# Altium PCB LimeSDR-XTRX_1v4.PcbDoc (part 2 of 8) (continued)
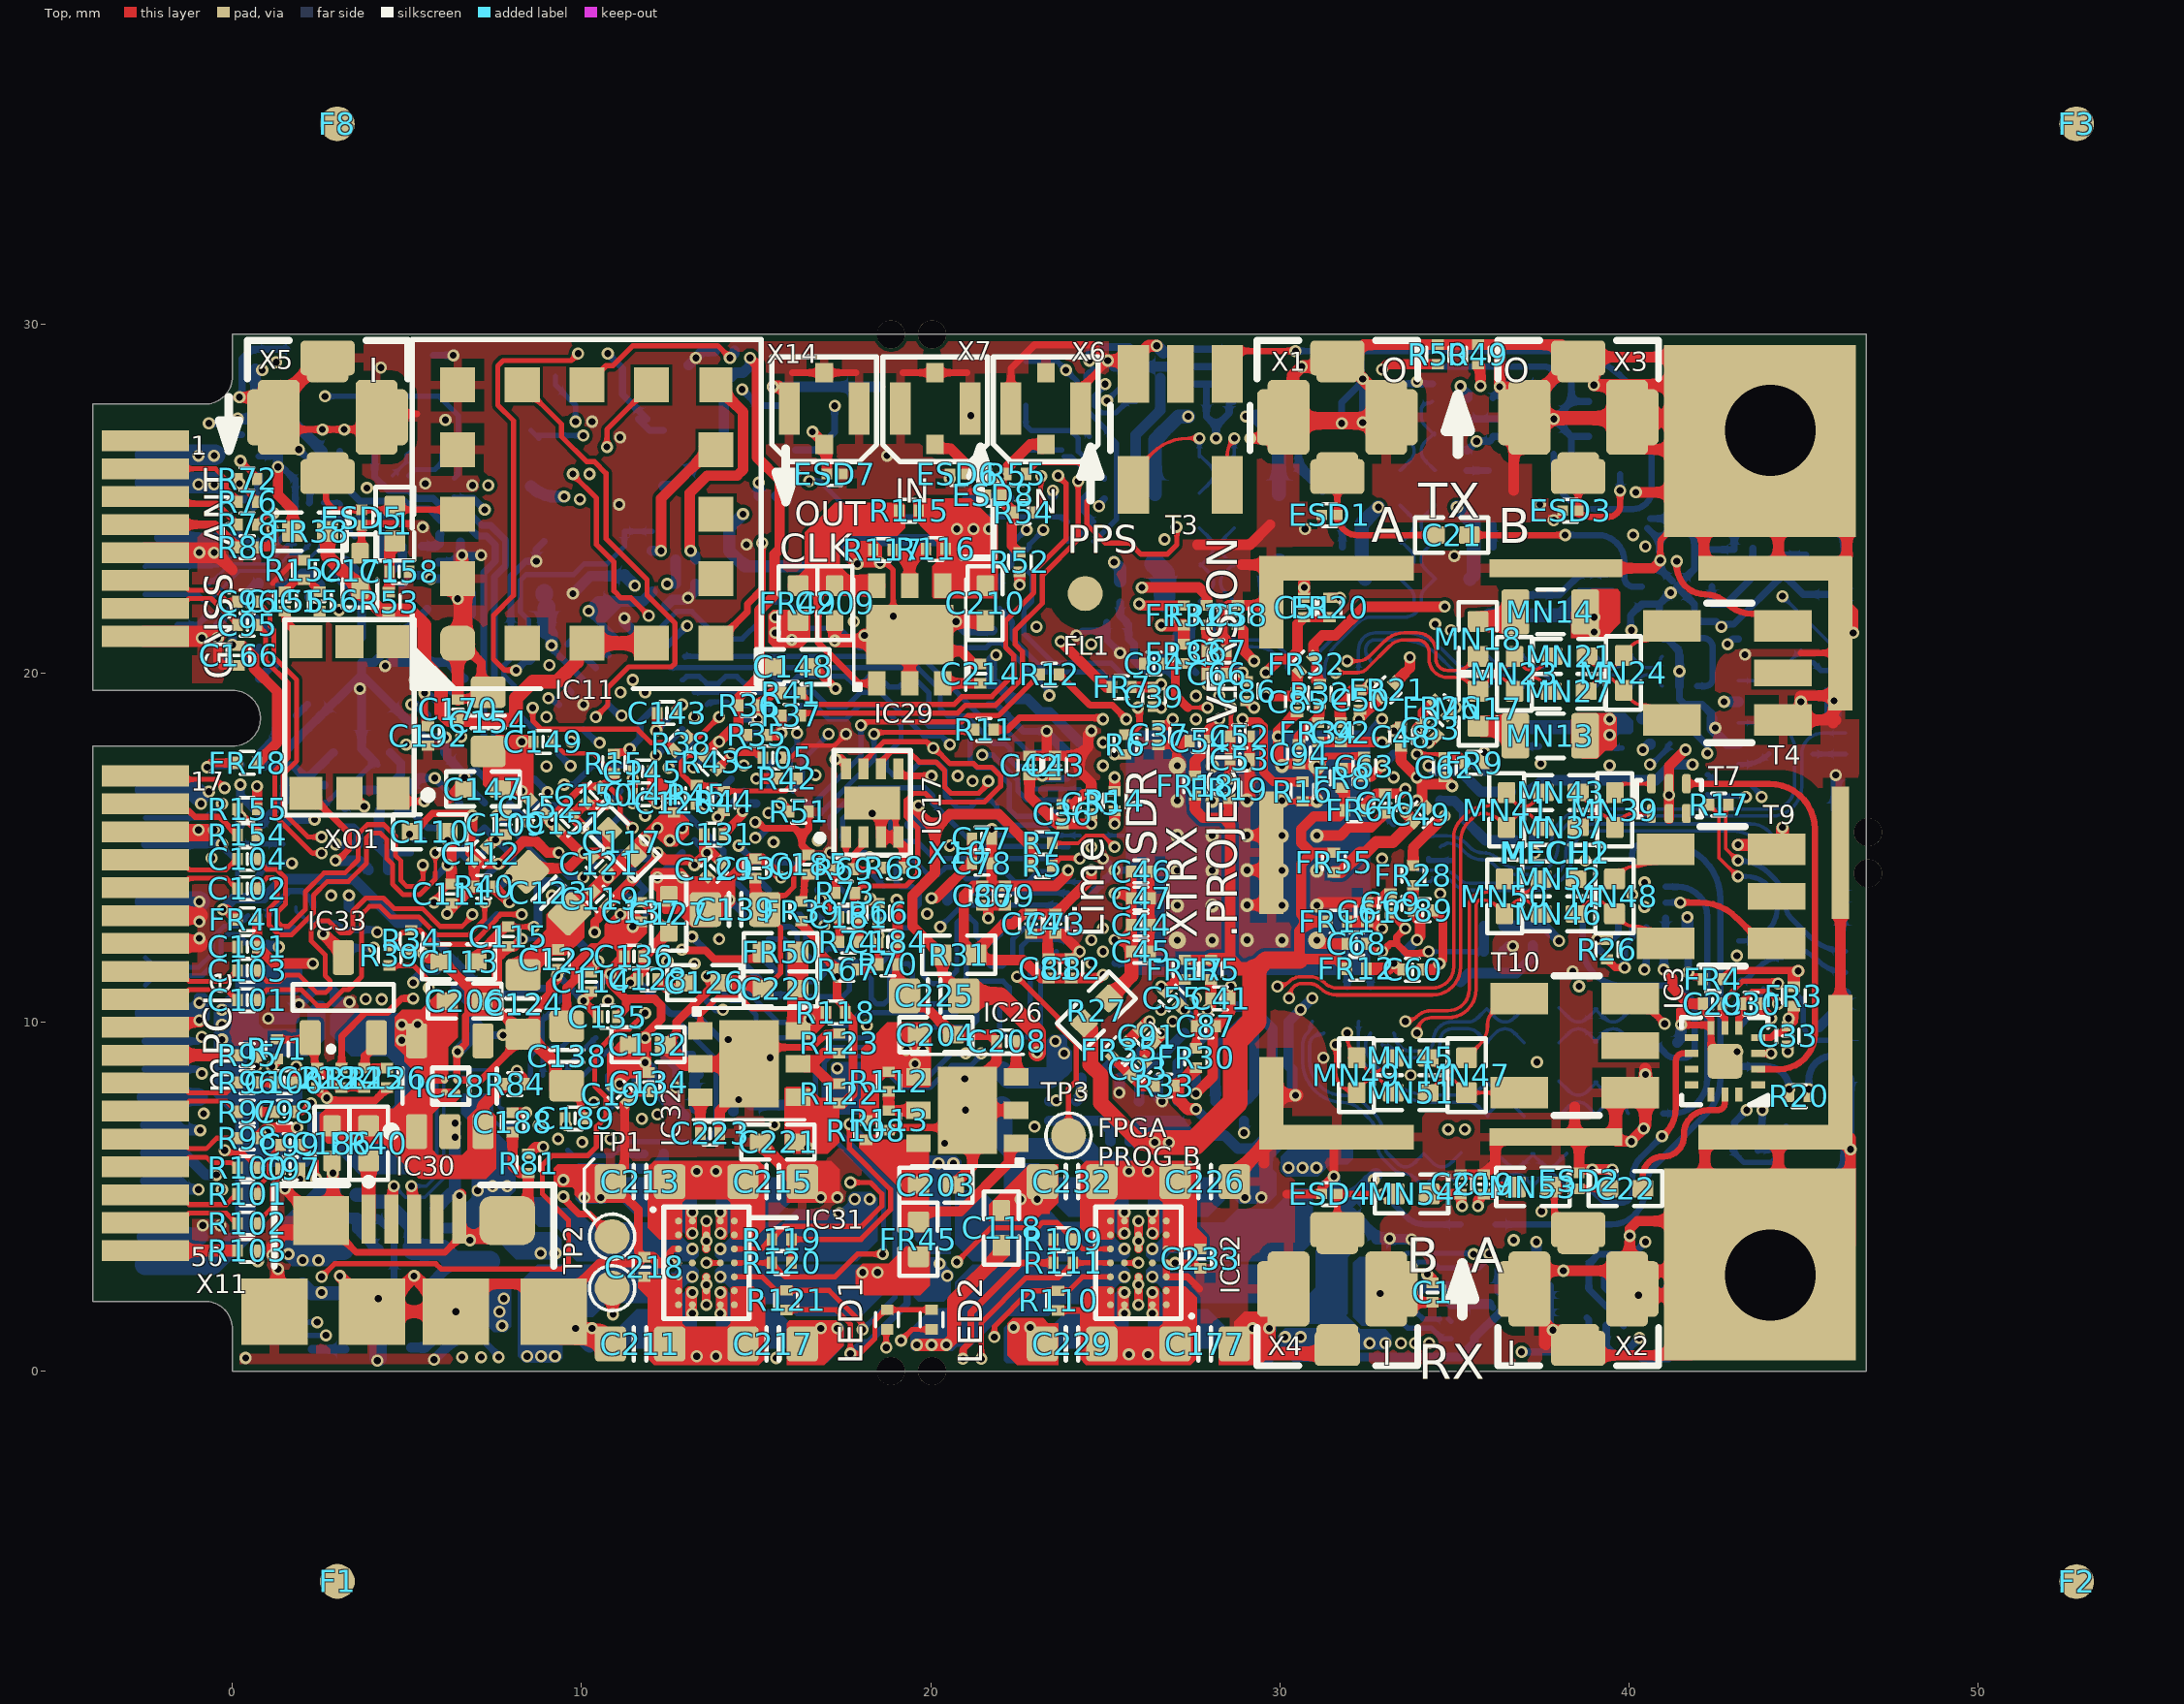
[diagram p0: Top view]
## Footprints (in the part's own frame and the unit in brackets; to place one, negate y for a bottom-side part, rotate by r counter-clockwise, add the part's x,y. Pads: shape width x height; smd on the part's side, far side on the other; paste and mask are expansions set on the pad) (continued)
  silkscreen extent -5.77,-5.2 5.2,5.2, body extent -5,-5 5,5, height 1.39

## Part data
C1 C35 C37 C38 C39 C40 C41 C42 C44 C46 C48 C49 C50 C51 C53 C54 C55 C56 C57 C58 C59 C60 C61 C62 C63 C64 C65 C67 C68 C69 C70 C71 C72 C74 C76 C78 C80 C82 C83 C84 C85 C86 C87 C88 C89 C90 C91 C92 C93 C94 C166 C180 C187 C188 C189 C190 C193 C198 C227: library part Cap_0402, Capacitance=1.0µF, Manufacturer="TDK Corporation", Manufacturer Part Number 1=JMK063ABJ105MP-F, Operating Temperature="-55°C ~ 85°C", Package / Case="0201 (0603 Metric)", Ratings=-, Supplier Part Number 1=587-5864-2-ND, Temperature Coefficient=X5R, Tolerance=±20%, Voltage - Rated=6.3V, Applications="General Purpose", Category=Capacitors, Features=-, Height - Seated (Max)=-, Lead Spacing=-, Lead Style=-, Mounting Type="Surface Mount, MLCC", Packaging="Cut Tape (CT)", Part Description="1µF ±20% 6.3V X5R Ceramic Capacitor -55°C ~ 85°C Surface Mount, MLCC 0201 (0603 Metric) 0.024\" L x 0.012\" W (0.60mm x 0.30mm)", RoHS="RoHS Compliant", Size / Dimension="0.024\" L x 0.012\" W (0.60mm x 0.30mm)", Supplier 1=Digi-Key, Thickness (Max)=-
C2 C163 C164 C167 C169: library part Cap_0402, Capacitance=22pF, Case/Package=0201, Case Code (Metric)=0603, Dielectric=C0G, Manufacturer=Murata, Manufacturer Part Number 1=GRM0335C1H220JA01D, Max Operating Temperature=125°C, Min Operating Temperature=-55°C, Package Quantity=15000, Supplier Part Number 1=490-6123-1-ND, Tolerance=5%, Voltage=50V, Case Code (Imperial)=0201, ComponentLink1Description=https://datasheet.ciiva.com/6271/partnumbering-e-01-6271146.pdf?src-supplier=Digi-Key, ComponentLink1URL=https://datasheet.ciiva.com/6271/partnumbering-e-01-6271146.pdf?src-supplier=Digi-Key, ComponentLink2Description=https://datasheet.ciiva.com/6271/partnumbering-e-01-6271143.pdf?src-supplier=Digi-Key, ComponentLink2URL=https://datasheet.ciiva.com/6271/partnumbering-e-01-6271143.pdf?src-supplier=Digi-Key, ComponentLink3Description=https://datasheet.ciiva.com/6271/partnumbering-e-01-6271149.pdf?src-supplier=Digi-Key, ComponentLink3URL=https://datasheet.ciiva.com/6271/partnumbering-e-01-6271149.pdf?src-supplier=Digi-Key, Depth=0.3mm, Height=0.3mm, Lead Free="Lead Free", Length=0.6mm, Mount="Surface Mount", Packaging="Tape and Reel", Part Description="22 pF ±5% 50V Ceramic Capacitor C0G, NP0 0201 (0603 Metric)", Pricing 1="1=0,10000, 10=0,01300, 50=0,00720, 100=0,00590, 500=0,00424, 1000=0,00333, 2500=0,00303, 5000=0,00279 (USD)", RoHS=Yes, RoHS Compliant=Yes, Series=GRM, Stock 1=2966748, Supplier 1=Digi-Key, Termination=SMD/SMT, Thickness=0.013inch, Voltage Rating=50V, Voltage Rating (DC)=50V, Width=0.012inch
C3 C4 C5 C7 C11 C12 C13 C14 C157 C168 C170 C173 C194 C195 C199 C200 C208 C214 C223 C230: library part Cap_0402, Capacitance=100pF, Case/Package=0201, Case Code (Metric)=0603, Dielectric=C0G, Dielectric Material=Ceramic, Insulation Resistance=10GR, Manufacturer=TDK, Manufacturer Part Number 1=C0603C0G1H101J030BA, Max Operating Temperature=125°C, Min Operating Temperature=-55°C, Package Quantity=1, Supplier Part Number 1=445-1786-1-ND, Tolerance=5%, Voltage=50V, Case Code (Imperial)=0201, ComponentLink1Description=https://datasheet.ciiva.com/24217/c0603c0g1h101j030ba-264106-24217425.pdf?src-supplier=Mouser, ComponentLink1URL=https://datasheet.ciiva.com/24217/c0603c0g1h101j030ba-264106-24217425.pdf?src-supplier=Mouser, ComponentLink2Description=https://datasheet.ciiva.com/16205/mlcc-commercial-general-en-16205590.pdf?src-supplier=Future+Electronics, ComponentLink2URL=https://datasheet.ciiva.com/16205/mlcc-commercial-general-en-16205590.pdf?src-supplier=Future+Electronics, ComponentLink3Description=https://datasheet.ciiva.com/6250/tdkmlcccaprange-6250351.pdf?src-supplier=Digi-Key, ComponentLink3URL=https://datasheet.ciiva.com/6250/tdkmlcccaprange-6250351.pdf?src-supplier=Digi-Key, Construction=Flat, Depth=0.3mm, Height=0.3mm, Lead Free="Lead Free", Length=0.6mm, Mount="Surface Mount", Number of Pins=2, Packaging="Tape and Reel", Part Description="100 pF ±5% 50V Ceramic Capacitor C0G, NP0 0201 (0603 Metric)", Pricing 1="1=0,10000, 10=0,06000, 50=0,03280, 100=0,02670, 500=0,01908, 1000=0,01500, 2500=0,01364, 5000=0,01254 (USD)", Reach SVHC Compliant=Yes, RoHS=Yes, RoHS Compliant=Yes, Series=C, Stock 1=367528, Supplier 1=Digi-Key, Termination=SMD/SMT, Thickness=0.013inch, Voltage Rating=50V, Voltage Rating (DC)=50V, Weight=6E-06oz, Width=0.012inch
C6 C8 C9 C10 C15 C16 C17 C18 C27 C28 C33 C34 C95 C96 C97 C98 C99 C100 C101 C102 C103 C104 C105 C108 C109 C111 C112 C155 C156 C159 C161 C162 C165 C172 C174 C181 C182 C183 C184 C185 C191 C192 C196 C197 C201 C218 C228 C233: library part Cap_0402, Capacitance=100nF, Case/Package=0201, Case Code (Metric)=0603, Manufacturer=Samsung, Manufacturer Part Number 1=CL03A104MP3NNNC, Max Operating Temperature=85°C, Min Operating Temperature=-55°C, Package Quantity=1, Supplier Part Number 1=1276-1321-1-ND, Tolerance=20%, Voltage Rating=10V, Case Code (Imperial)=0201, ComponentLink5Description=https://datasheet.ciiva.com/25788/cl03a104mp3nnnc-25788272.pdf?src-supplier=Digi-Key, ComponentLink5URL=https://datasheet.ciiva.com/25788/cl03a104mp3nnnc-25788272.pdf?src-supplier=Digi-Key, Length=0.024inch, Mount="Surface Mount", Packaging="Tape and Reel", Part Description="0.1 µF ±20% 10V Ceramic Capacitor X5R 0201 (0603 Metric)", Pricing 1="1=0,10000, 10=0,03000, 50=0,01640, 100=0,01330, 500=0,00950, 1000=0,00747, 2500=0,00679, 5000=0,00625 (USD)", RoHS=Yes, RoHS Compliant=Yes, Series=CL, Stock 1=3817176, Supplier 1=Digi-Key, Thickness=0.013inch, Voltage Rating (DC)=10V, Width=0.012inch
C19 C20 C25 C26 C29 C30 C31 C32 C36 C43 C45 C47 C52 C66 C73 C75 C77 C79 C81 C106 C158: library part Cap_0402, Capacitance=1000pF, Manufacturer="TDK Corporation", Manufacturer Part Number 1=C0603X7R1E102K030BA, Operating Temperature="-55°C ~ 125°C", Package / Case="0201 (0603 Metric)", Ratings=-, Supplier Part Number 1=445-7275-1-ND, Temperature Coefficient=X7R, Tolerance=±10%, Voltage - Rated=25V, Applications="General Purpose", Category=Capacitors, Features=-, Height - Seated (Max)=-, Lead Spacing=-, Lead Style=-, Mounting Type="Surface Mount, MLCC", Packaging="Cut Tape (CT)", Part Description="1000pF ±10% 25V X7R Ceramic Capacitor -55°C ~ 125°C Surface Mount, MLCC 0201 (0603 Metric) 0.024\" L x 0.012\" W (0.60mm x 0.30mm)", RoHS="RoHS Compliant", Size / Dimension="0.024\" L x 0.012\" W (0.60mm x 0.30mm)", Supplier 1=Digi-Key, Thickness (Max)="0.013\" (0.33mm)"
C21 C22 C23 C24: library part Cap_0402, Capacitance=510pF, Manufacturer="Murata Electronics North America", Manufacturer Part Number 1=GRM1555C1H511JA01D, Operating Temperature="-55°C ~ 125°C", Package / Case="0402 (1005 Metric)", Ratings=-, Supplier Part Number 1=490-3237-1-ND, Temperature Coefficient="C0G, NP0", Tolerance=±5%, Voltage - Rated=50V, Applications="General Purpose", Category=Capacitors, Features=-, Height - Seated (Max)=-, Lead Spacing=-, Lead Style=-, Mounting Type="Surface Mount, MLCC", Packaging="Cut Tape (CT)", Part Description="510pF ±5% 50V C0G, NP0 Ceramic Capacitor -55°C ~ 125°C Surface Mount, MLCC 0402 (1005 Metric) 0.039\" L x 0.020\" W (1.00mm x 0.50mm)", RoHS="RoHS Compliant", Size / Dimension="0.039\" L x 0.020\" W (1.00mm x 0.50mm)", Supplier 1=Digi-Key, Thickness (Max)="0.022\" (0.55mm)"
C107 C110 C113 C117 C118 C126 C127 C132 C133 C141 C142 C147 C148 C171 C175 C176 C179 C203 C204 C209 C210 C220 C221 C224: library part Cap_0402, Capacitance=4.7µF, Manufacturer="Murata Electronics North America", Manufacturer Part Number 1=GRM155R60J475ME87D, Operating Temperature="-55°C ~ 85°C", Package / Case="0402 (1005 Metric)", Ratings=-, Supplier Part Number 1=490-5408-1-ND, Temperature Coefficient=X5R, Tolerance=±20%, Voltage - Rated=6.3V, Applications="General Purpose", Category=Capacitors, Features="Derating Recommended", Height - Seated (Max)=-, Lead Spacing=-, Lead Style=-, Mounting Type="Surface Mount, MLCC", Packaging="Cut Tape (CT)", Part Description="4.7µF ±20% 6.3V X5R Ceramic Capacitor -55°C ~ 85°C Surface Mount, MLCC 0402 (1005 Metric) 0.039\" L x 0.020\" W (1.00mm x 0.50mm)", RoHS="RoHS Compliant", Size / Dimension="0.039\" L x 0.020\" W (1.00mm x 0.50mm)", Supplier 1=Digi-Key, Thickness (Max)="0.022\" (0.55mm)"
C114 C115 C119 C120 C121 C122 C128 C129 C130 C131 C134 C135 C136 C137 C143 C144 C145 C146 C149 C150 C151 C152: library part Cap_0402, Capacitance=470nF, Case/Package=0201, Case Code (Metric)=0603, Dielectric=X5R, Manufacturer=Murata, Manufacturer Part Number 1=GRM033R60J474KE90D, Max Operating Temperature=85°C, Min Operating Temperature=-55°C, Package Quantity=15000, Supplier Part Number 1=490-10409-1-ND, Tolerance=10%, Voltage Rating=6.3V, Case Code (Imperial)=0201, ComponentLink1Description=http://www.farnell.com/datasheets/2867834.pdf?src-supplier=Farnell, ComponentLink1URL=http://www.farnell.com/datasheets/2867834.pdf?src-supplier=Farnell, ComponentLink2Description=http://www.mouser.com/ds/2/281/c02e-2905.pdf?src-supplier=Mouser, ComponentLink2URL=http://www.mouser.com/ds/2/281/c02e-2905.pdf?src-supplier=Mouser, ComponentLink3Description=http://www.farnell.com/datasheets/2867834.pdf?src-supplier=Element14, ComponentLink3URL=http://www.farnell.com/datasheets/2867834.pdf?src-supplier=Element14, ComponentLink4Description=http://search.murata.co.jp/Ceramy/image/img/A01X/G101/ENG/GRM033R60J474KE90-01.pdf?src-supplier=Digi-Key, ComponentLink4URL=http://search.murata.co.jp/Ceramy/image/img/A01X/G101/ENG/GRM033R60J474KE90-01.pdf?src-supplier=Digi-Key, ComponentLink5Description=http://www.farnell.com/datasheets/2867834.pdf?src-supplier=Newark, ComponentLink5URL=http://www.farnell.com/datasheets/2867834.pdf?src-supplier=Newark, Depth=0.3mm, Height=0.3mm, Lead Free="Lead Free", Length=0.6mm, Mount="Surface Mount", Packaging="Tape and Reel", Part Description="0.47 µF ±10% 6.3V Ceramic Capacitor X5R 0201 (0603 Metric)", Pricing 1="1=0,10000, 10=0,06000, 50=0,03280, 100=0,02670, 500=0,01908, 1000=0,01500, 2500=0,01364, 5000=0,01254 (USD)", RoHS=Yes, RoHS Compliant=Yes, Stock 1=1562532, Supplier 1=Digi-Key, Termination=SMD/SMT, Thickness=0.013inch, Voltage Rating (DC)=6.3V, Weight=1.2E-05oz, Width=0.012inch
C116 C123 C124 C125 C138 C139 C140 C153 C154 C178 C202 C205 C212 C216 C219 C222 C231: library part Cap_0603, Capacitance=47uF, Case/Package=0603, Case Code (Metric)=1608, Dielectric=X5R, Manufacturer=Murata, Manufacturer Part Number 1=GRM188R60J476ME15D, Max Operating Temperature=85°C, Min Operating Temperature=-55°C, Supplier Part Number 1=490-13247-1-ND, Tolerance=20%, Voltage Rating=6.3V, Case Code (Imperial)=0603, ComponentLink1Description=http://search.murata.co.jp/Ceramy/image/img/A01X/G101/ENG/GRM188R60J476ME15-01.pdf?src-supplier=Digi-Key, ComponentLink1URL=http://search.murata.co.jp/Ceramy/image/img/A01X/G101/ENG/GRM188R60J476ME15-01.pdf?src-supplier=Digi-Key, ComponentLink2Description=https://www.murata.com/~/media/webrenewal/support/library/catalog/products/capacitor/mlcc/c02e.ashx?la=en-us&src-supplier=Digi-Key, ComponentLink2URL=https://www.murata.com/~/media/webrenewal/support/library/catalog/products/capacitor/mlcc/c02e.ashx?la=en-us&src-supplier=Digi-Key, Length=0.063inch, Mount="Surface Mount", Packaging="Tape and Reel", Part Description="47 µF ±20% 6.3V Ceramic Capacitor X5R 0603 (1608 Metric)", Pricing 1="1=0,45000, 10=0,31900, 50=0,24120, 100=0,21000, 500=0,15556, 1000=0,13223 (USD)", RoHS=Yes, RoHS Compliant=Yes, Stock 1=731453, Supplier 1=Digi-Key, Thickness=0.039inch, Voltage Rating (DC)=6.3V, Width=0.031inch
C177 C207 C211 C213 C215 C217 C225 C226 C229 C232: library part Cap_0603, Capacitance=10uF, Case/Package=0603, Case Code (Metric)=1608, Dielectric=X5R, Manufacturer=Murata, Manufacturer Part Number 1=GRM188R61A106ME69D, Max Operating Temperature=85°C, Min Operating Temperature=-55°C, Package Quantity=4000, Supplier Part Number 1=490-10475-1-ND, Tolerance=20%, Voltage Rating=10V, Case Code (Imperial)=0603, ComponentLink1Description=http://search.murata.co.jp/Ceramy/image/img/A01X/G101/ENG/GRM188R61C106MAAL-01.pdf?src-supplier=Digi-Key, ComponentLink1URL=http://search.murata.co.jp/Ceramy/image/img/A01X/G101/ENG/GRM188R61C106MAAL-01.pdf?src-supplier=Digi-Key, ComponentLink2Description=https://search.murata.co.jp/Ceramy/image/img/A01X/G101/ENG/GRM188R61C106MAAL-01.pdf?src-supplier=Digi-Key, ComponentLink2URL=https://search.murata.co.jp/Ceramy/image/img/A01X/G101/ENG/GRM188R61C106MAAL-01.pdf?src-supplier=Digi-Key, ComponentLink3Description=http://search.murata.co.jp/Ceramy/image/img/A01X/partnumbering_e_01.pdf?src-supplier=Digi-Key, ComponentLink3URL=http://search.murata.co.jp/Ceramy/image/img/A01X/partnumbering_e_01.pdf?src-supplier=Digi-Key, ComponentLink4Description=http://www.farnell.com/datasheets/1872210.pdf?src-supplier=Farnell, ComponentLink4URL=http://www.farnell.com/datasheets/1872210.pdf?src-supplier=Farnell, ComponentLink5Description=http://www.mouser.com/ds/2/281/c02e-2905.pdf?src-supplier=Mouser, ComponentLink5URL=http://www.mouser.com/ds/2/281/c02e-2905.pdf?src-supplier=Mouser, ComponentLink6Description=http://www.farnell.com/datasheets/1872210.pdf?src-supplier=Newark, ComponentLink6URL=http://www.farnell.com/datasheets/1872210.pdf?src-supplier=Newark, ComponentLink7Description=http://www.farnell.com/datasheets/2048014.pdf?src-supplier=Element14, ComponentLink7URL=http://www.farnell.com/datasheets/2048014.pdf?src-supplier=Element14, ComponentLink8Description=http://www.farnell.com/datasheets/1872210.pdf?src-supplier=Element14, ComponentLink8URL=http://www.farnell.com/datasheets/1872210.pdf?src-supplier=Element14, ComponentLink9Description=http://search.murata.co.jp/Ceramy/image/img/A01X/G101/ENG/GRM188R61A106ME69-01.pdf?src-supplier=Digi-Key, ComponentLink9URL=http://search.murata.co.jp/Ceramy/image/img/A01X/G101/ENG/GRM188R61A106ME69-01.pdf?src-supplier=Digi-Key, Depth=0.8mm, Height=0.8mm, Lead Free="Lead Free", Length=1.6mm, Material=Ceramic, Mount="Surface Mount", Packaging="Tape and Reel", Part Description="10 µF ±20% 10V Ceramic Capacitor X5R 0603 (1608 Metric)", Pricing 1="1=0,16000, 10=0,11200, 50=0,06360, 100=0,05270, 500=0,03696, 1000=0,03060 (USD)", RoHS=Yes, RoHS Compliant=Yes, Series=GRM, Stock 1=820978, Supplier 1=Digi-Key, Termination=SMD/SMT, Thickness=0.035inch, Voltage Rating (DC)=10V, Weight=0.000222oz, Width=0.8mm
C186 C206: library part Cap_0402, Capacitance=1, Capacitance Tolerance="± 10%", Ceramic Capacitor Case="0402 [1005 Metric]", Dielectric Characteristic=X6, Manufacturer=TDK, Manufacturer Part Number 1=C1005X5R1E105K050BC, Supplier Part Number 1=445-9066-1-ND, Voltage Rating=10, MSL=-, Part Description="1µF ±10% 10V X5R Ceramic Capacitor -55°C ~ 85°C Surface Mount, MLCC 0402 (1005 Metric) 0.039\" L x 0.020\" W (1.00mm x 0.50mm)", Product Range="TDK - C Series", RoHS=YES, Supplier 1=Digi-Key
ESD1 ESD2 ESD3 ESD4 ESD5 ESD6 ESD7 ESD8: Capacitance @ Frequency="0.2pF @ 1MHz", Current - Peak Pulse (10/1000µs)="3A (8/20µs)", Manufacturer="ON Semiconductor", Manufacturer Part Number 1=ESD8472MUT5G, Operating Temperature="-55°C ~ 150°C (TJ)", Package / Case=2-XFDFN, Power - Peak Pulse=-, Power Line Protection=No, Supplier Device Package="2-X3DFN (0.62x0.32)", Supplier Part Number 1=ESD8472MUT5GOSCT-ND, Voltage - Breakdown (Min)=7V, Voltage - Clamping (Max) @ Ipp=14V, Voltage - Reverse Standoff (Typ)="5.3V (Max)", Applications="Automotive, RF Antenna", Category="Circuit Protection", ComponentLink1Description=http://www.onsemi.com/pub/Collateral/ESD8472-D.PDF, ComponentLink1URL=http://www.onsemi.com/pub/Collateral/ESD8472-D.PDF, Mounting Type="Surface Mount", Packaging="Cut Tape (CT)", Part Description="TVS DIODE 5.3VWM 14VC X3DFN2", Part Status=Active, Pricing 1="1=0.39, 10=0.315, 100=0.2142, 500=0.16068, 1000=0.12051 (USD)", RoHS="RoHS Compliant", Stock 1=2295, Supplier 1=Digi-Key, Type=Zener
FR1 FR2 FR3 FR4 FR5 FR6 FR7 FR8 FR9 FR10 FR11 FR12 FR13 FR14 FR15 FR16 FR17 FR18 FR19 FR20 FR21 FR22 FR23 FR24 FR25 FR26 FR27 FR28 FR29 FR30 FR31 FR32 FR33 FR34 FR35 FR36 FR37 FR39 FR41 FR42 FR48 FR53 FR55: library part Ferrite, Current Rating=270mA, DC Resistance (DCR)="750 mOhm Max", Impedance @ Frequency="600 Ohm @ 100MHz", Manufacturer="Taiyo Yuden", Manufacturer Part Number 1=BK0603TS601-T, Package / Case="0201 (0603 Metric)", Supplier Part Number 1=587-3277-1-ND, Category=Filters, Filter Type="Differential Mode - Single", Height (Max)="0.013\" (0.33mm)", Mounting Type="Surface Mount", Packaging="Cut Tape (CT)", Part Description="FERRITE BEAD 600 OHM 0201 1LN", RoHS="RoHS Compliant", Size / Dimension="0.024\" L x 0.012\" W (0.60mm x 0.30mm)", Supplier 1=Digi-Key
FR38 FR40 FR43 FR44 FR45 FR46 FR49 FR50 FR51 FR52 FR54: library part Ferrite, Current Rating=900mA, DC Resistance (DCR)="220 mOhm Max", Impedance @ Frequency="220 Ohm @ 100MHz", Manufacturer="TDK Corporation", Manufacturer Part Number 1=MPZ1005S221ET000, Package / Case="0402 (1005 Metric)", Supplier Part Number 1=445-9329-2-ND, Category=Filters, Part Description="FERRITE BEAD 220 OHM 0402 1LN", Supplier 1=Digi-Key
FR47: library part Ferrite, Current Rating=2A, DC Resistance (DCR)="100 mOhm Max", Impedance @ Frequency="600 Ohm @ 100MHz", Manufacturer="TDK Corporation", Manufacturer Part Number 1=MPZ2012S601AT000, Package / Case="0805 (2012 Metric)", Supplier Part Number 1=445-2206-2-ND, Category=Filters, Filter Type="Differential Mode - Single", Height (Max)="0.041\" (1.05mm)", Mounting Type="Surface Mount", Packaging="Tape & Reel (TR)", Part Description="FERRITE BEAD 600 OHM 0805 1LN", RoHS="RoHS Compliant", Size / Dimension="0.079\" L x 0.049\" W (2.00mm x 1.25mm)", Supplier 1=Digi-Key
IC1: library part LMS7002Mr4, "Schematic symbol revision 4. Default footprint - 0.31mm pad", Manufacturer="Lime Microsystems", Manufacturer Part Number 1=LMS7002M, Part Description="IC FPRF Transceiver LMS7002M; 261 pin aQFN", Supplier 1="Lime Microsystems", Supplier Part Number 1=LMS7002M
IC2 IC13: library part M24128-DFMC6TG, Manufacturer=STMicroelectronics, Operating Temperature="-40°C ~ 85°C (TA)", Package / Case="8-UFDFN Exposed Pad", Supplier Device Package="8-UFDFPN (2x3)", Supplier Part Number 1=497-15739-1-ND, Voltage - Supply="1.7 V ~ 5.5 V", Category="Integrated Circuits (ICs)", ComponentLink1Description=http://www.st.com/content/ccc/resource/technical/document/datasheet/59/05/c9/5b/7b/41/48/b6/CD00259167.pdf/files/CD00259167.pdf/jcr:content/translations/en.CD00259167.pdf, ComponentLink1URL=http://www.st.com/content/ccc/resource/technical/document/datasheet/59/05/c9/5b/7b/41/48/b6/CD00259167.pdf/files/CD00259167.pdf/jcr:content/translations/en.CD00259167.pdf, Manufacturer Part Number 1=M24128-DFMC6TG, Memory Format=EEPROM, Memory Interface=I²C, Memory Size="128Kb (16K x 8)", Memory Type=Non-Volatile, Mounting Type="Surface Mount", Packaging="Cut Tape (CT)", Part Description="EEPROM Memory IC 128Kb (16K x 8) I²C 1MHz 450ns 8-UFDFPN (2x3)", Part Status=Active, Pricing 1="1=0.35, 10=0.348, 100=0.2854, 500=0.27748, 1000=0.27004 (USD)", RoHS="RoHS Compliant", Stock 1=5894, Supplier 1=Digi-Key, Technology=EEPROM, Write Cycle Time - Word, Page=5ms
IC3 IC4: library part SKY13414-485LF_RF_SW, Case/Package=QFN, Manufacturer="Skyworks Solutions", Max Operating Temperature=85°C, Min Operating Temperature=-40°C, Package Quantity=3000, Supplier Part Number 1=863-1582-1-ND, ComponentLink1Description=https://datasheet.ciiva.com/15309/sky13414-485lf-201689g-231640-15309794.pdf?src-supplier=Mouser, ComponentLink1URL=https://datasheet.ciiva.com/15309/sky13414-485lf-201689g-231640-15309794.pdf?src-supplier=Mouser, IIP3=70dBm, Impedance=50R, Manufacturer Part Number 1=SKY13414-485LF, P1dB=37dBm, Packaging="Tape and Reel", Part Description="RF Switch IC General Purpose SP4T 3 GHz 50Ohm 14-QFN (2x2)", Pricing 1="1=1,35000, 10=1,20700, 25=1,14520, 100=0,94070, 250=0,87936, 500=0,77710, 1000=0,61350 (USD)", RoHS=Yes, RoHS Compliant=Yes, Stock 1=43522, Supplier 1=Digi-Key, Throw Configuration=SP4T
IC5 IC6: library part SKY13330-397LF_RF_SW, Case/Package=QFN, Frequency=100MHz, Manufacturer="Skyworks Solutions", Max Frequency=6GHz, Max Operating Temperature=85°C, Min Operating Temperature=-40°C, Package Quantity=3000, Supplier Part Number 1=863-1643-1-ND, ComponentLink1Description=https://datasheet.ciiva.com/15100/getdatasheetpartid-656010-15100460.pdf?src-supplier=Verical, ComponentLink1URL=https://datasheet.ciiva.com/15100/getdatasheetpartid-656010-15100460.pdf?src-supplier=Verical, Contact Plating=Tin,Matte, Impedance=50R, Insertion Loss=0.65dB, Manufacturer Part Number 1=SKY13330-397LF, Mount="Surface Mount", Number of Pins=12, P1dB=39dBm, Packaging="Tape and Reel", Part Description="RF Switch IC W-CDMA SPDT 6 GHz 50Ohm 12-QFN (2x2)", Pricing 1="1=0,99000, 10=0,88800, 25=0,84280, 100=0,69230, 250=0,64716, 500=0,57190, 1000=0,45150 (USD)", Radiation Hardening=No, RoHS=Yes, Stock 1=596826, Supplier 1=Digi-Key, Throw Configuration=SPDT, Turn-Off Delay Time=1.6us, Turn-On Delay Time=1.6us, Weight=0.000776oz
IC7: library part XC7A35T-2CPG236, "Artix-7 FPGA", Manufacturer=Xilinx, Max Operating Temperature=100°C, Max Supply Voltage=1.05V, Min Operating Temperature=-40°C, Min Supply Voltage=950mV, Supplier Part Number 1=122-2181-ND, ComponentLink1Description="Manufacturer URL", ComponentLink1URL=http://www.xilinx.com/, ComponentLink2Description=Datasheet, ComponentLink2URL=http://www.xilinx.com/support/documentation/data_sheets/ds180_7Series_Overview.pdf, ComponentLink3Description="Package Specification", ComponentLink3URL=http://www.xilinx.com/support/documentation/user_guides/ug475_7Series_Pkg_Pinout.pdf, ComponentLink4Description="DC and Switching Characteristics", ComponentLink4URL=http://www.xilinx.com/support/documentation/data_sheets/ds181_Artix_7_Data_Sheet.pdf, ComponentLink5Description="Package File", ComponentLink5URL=http://www.xilinx.com/support/packagefiles/a7packages/xc7a200tsbg484pkg.txt, ComponentLink6Description="Packaging and Pinout", ComponentLink6URL=http://www.xilinx.com/support/documentation/user_guides/ug475_7Series_Pkg_Pinout.pdf, ComponentLink7Description=http://www.farnell.com/datasheets/2553941.pdf?src-supplier=Farnell, ComponentLink7URL=http://www.farnell.com/datasheets/2553941.pdf?src-supplier=Farnell, ComponentLink8Description=http://www.xilinx.com/support/documentation/data_sheets/ds181_Artix_7_Data_Sheet.pdf?src-supplier=Avnet, ComponentLink8URL=http://www.xilinx.com/support/documentation/data_sheets/ds181_Artix_7_Data_Sheet.pdf?src-supplier=Avnet, ComponentLink9Description=https://www.xilinx.com/support/documentation/data_sheets/ds180_7Series_Overview.pdf?src-supplier=Digi-Key, ComponentLink9URL=https://www.xilinx.com/support/documentation/data_sheets/ds180_7Series_Overview.pdf?src-supplier=Digi-Key, Contact Plating=Copper,Tin,Silver, Manufacturer Part Number 1=XC7A50T-2CPG236I, Mount="Surface Mount", Number of I/Os=106, Number of Logic Blocks (LABs)=4075, Number of Logic Elements/Cells=52160, Number of Pins=236, Number of Registers=652, Part Description="Artix-7 Field Programmable Gate Array (FPGA) IC 106 2764800 52160 238-LFBGA, CSPBGA", Propagation Delay=0.85ns, RAM Size=2764800b, RoHS=Yes, RoHS Compliant=Yes, Speed Grade=2, Stock 1=0, Supplier 1=Digi-Key, Turn-On Delay Time=0.85ns
IC8: Frequency - Max=200MHz, Manufacturer="Texas Instruments", Manufacturer Part Number 1=LMK00101SQE/NOPB, Operating Temperature="-40°C ~ 85°C", Package / Case="32-WFQFN Exposed Pad", Supplier Device Package="32-WQFN (5x5)", Supplier Part Number 1=296-39036-1-ND, Voltage - Supply="2.375 V ~ 3.45 V", Category="Integrated Circuits (ICs)", Differential - Input:Output=Yes/No, Input="HCSL, LVCMOS, LVDS, LVPECL, LVTTL, SSTL, Crystal", Mounting Type="Surface Mount", Number of Circuits=1, Output="LVCMOS, LVTTL", Packaging="Cut Tape (CT)", Part Description="Clock Fanout Buffer (Distribution), Multiplexer, Translator IC 200MHz 32-WFQFN Exposed Pad", Ratio - Input:Output=3:10, RoHS="RoHS Compliant", Supplier 1=Digi-Key, Type="Fanout Buffer (Distribution), Multiplexer, Translator"
IC9: library part TMP1075NDRLR_temperature_sensor, Manufacturer="Texas Instruments", Supplier Part Number 1=296-TMP1075NDRLRCT-ND, Manufacturer Part Number 1=TMP1075NDRLR, Part Description="Temperature Sensor Digital, Local -40°C ~ 125°C 12 b SOT-563", Pricing 1="1=0,67000, 5=0,63800, 10=0,55500, 25=0,48760, 50=0,40500, 100=0,34500, 500=0,30000, 1000=0,26250 (USD)", RoHS=No, RoHS Compliant=Yes, Stock 1=3405, Supplier 1=Digi-Key
IC11: library part M10578-A3_GPS_GNSS, Current - Receiving=28mA, Frequency=1.575GHz, Manufacturer=Antenova, Manufacturer Part Number 1=M10578-A3, Operating Temperature="-40°C ~ 85°C", Package / Case=Module, Supplier Part Number 1=627-1074-1-ND, Voltage - Supply=3.3V, Antenna Connector=-, Applications="General Purpose", Category="RF/IF and RFID", ComponentLink1Description=http://www.antenova-m2m.com/wp-content/uploads/2015/12/GPS_Radionova_M10578-A3-PS-1.0.pdf, ComponentLink1URL=http://www.antenova-m2m.com/wp-content/uploads/2015/12/GPS_Radionova_M10578-A3-PS-1.0.pdf, Data Interface=UART, Data Rate (Max)=-, Features=-, Memory Size=-, Modulation or Protocol=GPS, Packaging="Cut Tape (CT)", Part Description="RADIONOVA RF Receiver GPS 1.575GHz -165dBm Module", Part Status=Active, Pricing 1="1=17.75, 10=16.061, 25=14.7928, 100=13.5248, 250=12.67952, 500=11.8342 (USD)", RoHS="RoHS Compliant", Sensitivity=-165dBm, Stock 1=0, Supplier 1=Digi-Key, Supplier Device Package=Module
IC16: library part NVT4555UKZ_SIM_INTERFACE, Manufacturer="NXP Semiconductors", Max Operating Temperature=85°C, Max Supply Voltage=3.6V, Min Operating Temperature=-40°C, Operating Supply Current=5uA, Package Quantity=3000, Supplier Part Number 1=568-11436-1-ND, ComponentLink1Description=http://www.mouser.com/ds/2/302/NVT4555-527699.pdf?src-supplier=Mouser, ComponentLink1URL=http://www.mouser.com/ds/2/302/NVT4555-527699.pdf?src-supplier=Mouser, Manufacturer Part Number 1=NVT4555UKZ, Mount="Surface Mount", Number of Pins=12, Packaging="Tape and Reel", Part Description="SIM Card Interface 12-WLCSP (1.20x1.60)", Pricing 1="1=1,59000, 10=1,41900, 25=1,34720, 100=1,10660, 250=1,03440, 500=0,91410, 1000=0,76061 (USD)", RoHS=Yes, RoHS Compliant=Yes, Stock 1=2519, Supplier 1=Digi-Key, Weight=0.002328oz
IC17: library part AD5693RACPZ-1RL7_DAC, Manufacturer="Analog Devices", Supplier Part Number 1=505-AD5693BCPZ-RL7CT-ND, ComponentLink1Description=http://www.mouser.com/ds/2/609/AD5693R_5692R_5691R_5693-534178.pdf?src-supplier=Mouser, ComponentLink1URL=http://www.mouser.com/ds/2/609/AD5693R_5692R_5691R_5693-534178.pdf?src-supplier=Mouser, ComponentLink2Description=https://www.analog.com/media/en/technical-documentation/data-sheets/AD5693R_5692R_5691R_5693.pdf?src-supplier=Digi-Key, ComponentLink2URL=https://www.analog.com/media/en/technical-documentation/data-sheets/AD5693R_5692R_5691R_5693.pdf?src-supplier=Digi-Key, ComponentLink3Description=http://www.analog.com/static/imported-files/data_sheets/AD5693R_5692R_5691R.pdf?src-supplier=Avnet, ComponentLink3URL=http://www.analog.com/static/imported-files/data_sheets/AD5693R_5692R_5691R.pdf?src-supplier=Avnet, ComponentLink4Description=http://www.analog.com/media/en/technical-documentation/data-sheets/AD5693R_5692R_5691R_5693.pdf?src-supplier=Digi-Key, ComponentLink4URL=http://www.analog.com/media/en/technical-documentation/data-sheets/AD5693R_5692R_5691R_5693.pdf?src-supplier=Digi-Key, ComponentLink5Description=https://www.analog.com/media/en/technical-documentation/data-sheets/AD5693R_5692R_5691R_5693.pdf?src-supplier=Digikey, ComponentLink5URL=https://www.analog.com/media/en/technical-documentation/data-sheets/AD5693R_5692R_5691R_5693.pdf?src-supplier=Digikey, ComponentLink6Description=http://www.analog.com/media/en/technical-documentation/data-sheets/AD5693R_5692R_5691R_5693.pdf?src-supplier=Digikey, ComponentLink6URL=http://www.analog.com/media/en/technical-documentation/data-sheets/AD5693R_5692R_5691R_5693.pdf?src-supplier=Digikey, ComponentLink7Description=http://www.analog.com/static/imported-files/data_sheets/AD5693R_5692R_5691R_5693.pdf?src-supplier=Avnet, ComponentLink7URL=http://www.analog.com/static/imported-files/data_sheets/AD5693R_5692R_5691R_5693.pdf?src-supplier=Avnet, ComponentLink8Description=http://www.farnell.com/datasheets/1863077.pdf?src-supplier=Element14, ComponentLink8URL=http://www.farnell.com/datasheets/1863077.pdf?src-supplier=Element14, ComponentLink9Description=https://datasheet.octopart.com/AD5693BCPZ-RL7-Analog-Devices-datasheet-79096046.pdf?src-supplier=Element14, ComponentLink9URL=https://datasheet.octopart.com/AD5693BCPZ-RL7-Analog-Devices-datasheet-79096046.pdf?src-supplier=Element14, Manufacturer Part Number 1=AD5693BCPZ-RL7, Part Description="16 Bit Digital to Analog Converter 1 8-LFCSP-UD (2x2)", Pricing 1="1=9,21, 10=6,366, 25=5,6328, 100=4,8123, 250=4,41452, 500=4,17228, 1000=3,97118 (USD)", RoHS=Yes, Stock 1=5532, Supplier 1=Digikey
IC18: library part M25P40_with_pad, Case/Package=SOIC, Frequency=120MHz, Manufacturer=Macronix, Max Operating Temperature=85°C, Min Operating Temperature=-40°C, Supplier Part Number 1=1092-1237-ND, ComponentLink1Description=http://www.winbond.com/resource-files/w25q128jv%20revf%2003272018%20plus.pdf?src-supplier=Digi-Key, ComponentLink1URL=http://www.winbond.com/resource-files/w25q128jv%20revf%2003272018%20plus.pdf?src-supplier=Digi-Key, ComponentLink2Description=http://www.macronix.com/Lists/Datasheet/Attachments/7549/MX25L25645G,%203V,%20256Mb,%20v1.7.pdf?src-supplier=Digi-Key, ComponentLink2URL=http://www.macronix.com/Lists/Datasheet/Attachments/7549/MX25L25645G,%203V,%20256Mb,%20v1.7.pdf?src-supplier=Digi-Key, ComponentLink3Description=http://ckassoc.com/oldsite/pdf/Macronix_Product_Line_Card_July_2017_General%20_070617.pdf?src-supplier=Digi-Key, ComponentLink3URL=http://ckassoc.com/oldsite/pdf/Macronix_Product_Line_Card_July_2017_General%20_070617.pdf?src-supplier=Digi-Key, ComponentLink4Description=http://www.macronix.com/Lists/Datasheet/Attachments/7444/MX25L25673G,%203V,%20256Mb,%20v1.4.pdf?src-supplier=Digi-Key, ComponentLink4URL=http://www.macronix.com/Lists/Datasheet/Attachments/7444/MX25L25673G,%203V,%20256Mb,%20v1.4.pdf?src-supplier=Digi-Key, Manufacturer Part Number 1=MX25L25645GZ2I-08G, Memory Size=256Mb, Memory Type=Non-Volatile,FLASH, Mount="Surface Mount", Part Description="FLASH - NOR Memory IC 256Mbit SPI 120 MHz 8-WSON (8x6)", Pricing 1="1=4,06000, 10=3,68400, 25=3,60360, 40=3,58400, 80=3,21363, 230=3,20191, 480=3,08490, 960=2,93280 (USD)", RoHS=Yes, RoHS Compliant=Yes, Stock 1=23084, Supplier 1=Digi-Key